# Altium PCB T1_Card.PcbDoc (part 3 of 6) (continued)
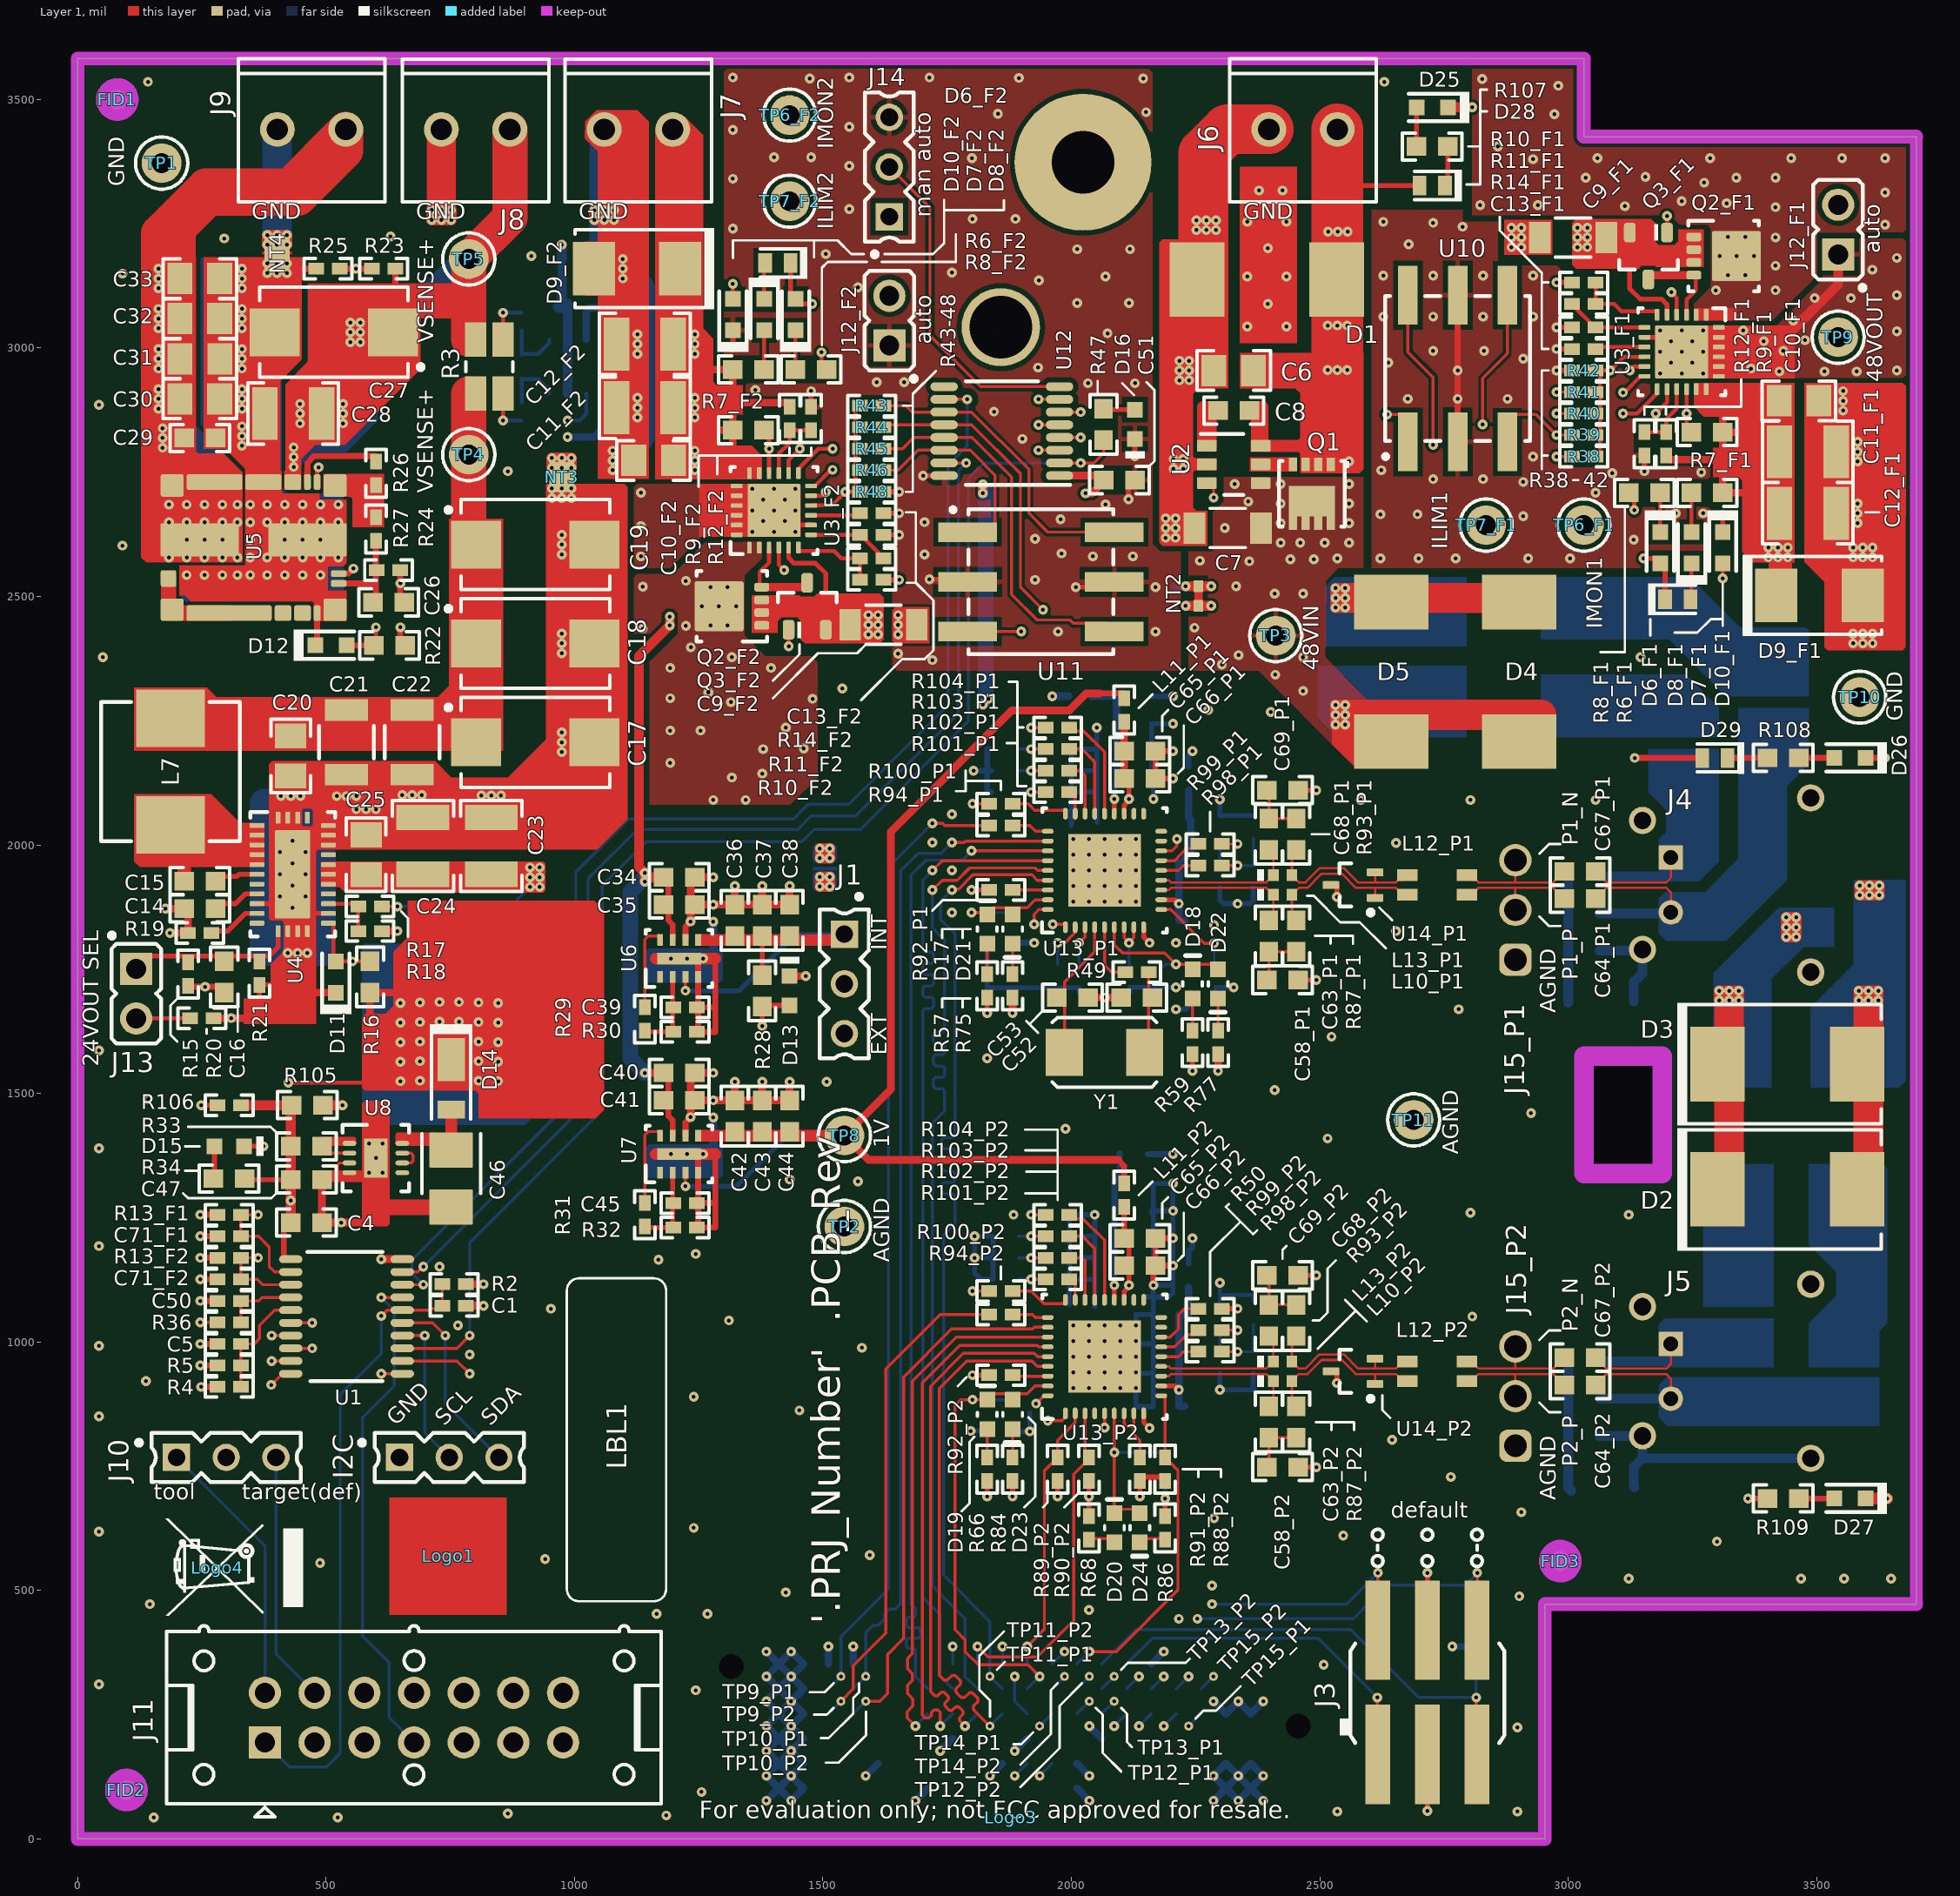
[diagram p0: Layer 1 view]
## Nets (pads, with @x,y where several pads share a name; then routed paths per layer and width w, separated by ;. In a path a pad name is that pad's centre, name@x,y a point inside that pad or via, vN(x,y) a via of type N, cw(c..) or ccw(c..) an arc to the next point about the centre after c; other vN are vias at no path point) (continued)
  Layer 2 w21.65: v1(3304.13,1687.01) v1(3304.13,1706.69) v1(3323.82,1706.69) v1(3343.5,1706.69) v1(3343.5,1687.01) v1(3323.82,1687.01) v1(3304.13,1687.01) ; v1(3402.56,2578.74) v1(3402.56,2598.43) v1(3422.24,2598.43) v1(3441.93,2598.43) v1(3441.93,2578.74) v1(3422.24,2578.74) v1(3402.56,2578.74) ; v1(3438.98,1814.96) v1(3458.66,1814.96) v1(3458.66,1834.65) v1(3458.66,1854.33) v1(3438.98,1854.33) v1(3438.98,1834.65) v1(3438.98,1814.96)
  Layer 3 w21.65: v1(3304.13,1687.01) v1(3304.13,1706.69) v1(3323.82,1706.69) v1(3343.5,1706.69) v1(3343.5,1687.01) v1(3323.82,1687.01) v1(3304.13,1687.01) ; v1(3402.56,2578.74) v1(3422.24,2578.74) v1(3441.93,2578.74) v1(3441.93,2598.43) v1(3422.24,2598.43) v1(3402.56,2598.43) v1(3402.56,2578.74) ; v1(3438.98,1814.96) v1(3458.66,1814.96) v1(3458.66,1834.65) v1(3458.66,1854.33) v1(3438.98,1854.33) v1(3438.98,1834.65) v1(3438.98,1814.96)
  Layer 4 w15.75: v1(3343.5,1687.01) 3430.12,1687.01 3618.11,1499.02 3618.11,738.19 3564.96,685.04 v1(3362.2,685.04) ; v1(3441.93,2598.43) 3441.93,2920.28 TP9.1@3543.31,3021.65
  Layer 4 w21.65: v1(3304.13,1687.01) v1(3304.13,1706.69) v1(3323.82,1706.69) v1(3343.5,1706.69) v1(3343.5,1687.01) v1(3323.82,1687.01) v1(3304.13,1687.01) ; v1(3402.56,2578.74) v1(3402.56,2598.43) v1(3422.24,2598.43) v1(3441.93,2598.43) v1(3441.93,2578.74) v1(3422.24,2578.74) v1(3402.56,2578.74) ; v1(3438.98,1814.96) v1(3458.66,1814.96) v1(3458.66,1834.65) v1(3458.66,1854.33) v1(3438.98,1854.33) v1(3438.98,1834.65) v1(3438.98,1814.96)
  Layer 5 w21.65: v1(3304.13,1687.01) v1(3304.13,1706.69) v1(3323.82,1706.69) v1(3343.5,1706.69) v1(3343.5,1687.01) v1(3323.82,1687.01) v1(3304.13,1687.01) ; v1(3402.56,2578.74) v1(3422.24,2578.74) v1(3441.93,2578.74) v1(3441.93,2598.43) v1(3422.24,2598.43) v1(3402.56,2598.43) v1(3402.56,2578.74) ; v1(3438.98,1814.96) v1(3438.98,1834.65) v1(3438.98,1854.33) v1(3458.66,1854.33) v1(3458.66,1834.65) v1(3458.66,1814.96) v1(3438.98,1814.96)
  Layer 6 w21.65: v1(3304.13,1687.01) v1(3304.13,1706.69) v1(3323.82,1706.69) v1(3343.5,1706.69) v1(3343.5,1687.01) v1(3323.82,1687.01) v1(3304.13,1687.01) ; v1(3402.56,2578.74) v1(3402.56,2598.43) v1(3422.24,2598.43) v1(3441.93,2598.43) v1(3441.93,2578.74) v1(3422.24,2578.74) v1(3402.56,2578.74) ; v1(3438.98,1814.96) v1(3458.66,1814.96) v1(3458.66,1834.65) v1(3458.66,1854.33) v1(3438.98,1854.33) v1(3438.98,1834.65) v1(3438.98,1814.96)
48V_Vout2: C10_F2.1 C11_F2.1 C12_F2.1 D9_F2.1 J7.1 R6_F2.1 R7_F2.2 R9_F2.2 U3_F2.17 U3_F2.18 | length 2739.6
  Layer 1 w15: 1260.83,2834.65 R7_F2.2@1318.9,2834.65 ; 1261.81,2956.69 R6_F2.1@1318.9,2956.69 1318.9,2888.78 ; 1318.9,2783.46 R7_F2.2@1318.9,2834.65 ; R9_F2.2@1433.07,2881.89 1425.2,2889.76 1319.88,2889.76 1318.9,2888.78 ; R7_F2.2@1318.9,2834.65 1318.9,2888.78
  Layer 1 w21.65: v1(1242.13,2753.94) v1(1242.13,2773.62) v1(1242.13,2793.31) ; v1(1242.13,2860.24) v1(1242.13,2879.92) v1(1242.13,2899.61) ; v1(1242.13,2988.19) v1(1242.13,3007.87) v1(1242.13,3027.56)
  Layer 2 w21.65: v1(1242.13,2753.94) v1(1242.13,2773.62) v1(1242.13,2793.31) ; v1(1242.13,2860.24) v1(1242.13,2879.92) v1(1242.13,2899.61) ; v1(1242.13,2988.19) v1(1242.13,3007.87) v1(1242.13,3027.56)
  Layer 3 w21.65: v1(1242.13,2753.94) v1(1242.13,2773.62) v1(1242.13,2793.31) ; v1(1242.13,2860.24) v1(1242.13,2879.92) v1(1242.13,2899.61) ; v1(1242.13,2988.19) v1(1242.13,3007.87) v1(1242.13,3027.56)
  Layer 3 w78.74: 1227.36,2764.76 1227.36,2899.61 1227.36,3220.47 ; 1227.36,3220.47 1227.36,3410.03 J7.1@1197.8,3439.6 1197.8,3250.04 1227.36,3220.47
  Layer 4 w21.65: v1(1242.13,2753.94) v1(1242.13,2773.62) v1(1242.13,2793.31) ; v1(1242.13,2860.24) v1(1242.13,2879.92) v1(1242.13,2899.61) ; v1(1242.13,2988.19) v1(1242.13,3007.87) v1(1242.13,3027.56)
  Layer 4 w62.99: J7.1@1197.8,3439.6 1261.81,3375.58 1261.81,3027.56 1261.81,2860.24 1261.81,2759.84
  Layer 5 w21.65: v1(1242.13,2753.94) v1(1242.13,2773.62) v1(1242.13,2793.31) ; v1(1242.13,2860.24) v1(1242.13,2879.92) v1(1242.13,2899.61) ; v1(1242.13,2988.19) v1(1242.13,3007.87) v1(1242.13,3027.56)
  Layer 6 w21.65: v1(1242.13,2753.94) v1(1242.13,2773.62) v1(1242.13,2793.31) ; v1(1242.13,2860.24) v1(1242.13,2879.92) v1(1242.13,2899.61) ; v1(1242.13,2988.19) v1(1242.13,3007.87) v1(1242.13,3027.56)
49: J2.49
51: J2.51
55: J2.55
61: J2.61
63: J2.63
67: J2.67
68: J2.68
69: J2.69
73: J2.73
74: J2.74
80: J2.80
81: J2.81
84: J2.84
85: J2.85
86: J2.86
87: J2.87
88: J2.88
89: J2.89
90: J2.90
91: J2.91
93: J2.93
94: J2.94
95: J2.95
96: J2.96
97: J2.97
98: J2.98
99: J2.99
103: J2.103
104: J2.104
105: J2.105
AGND: C34.2 C35.2 C36.2 C37.2 C38.2 C40.2 C41.2 C42.2 C43.2 C44.2 C52.2 C53.2 C54_P1.2 C54_P2.2 C55_P1.2 C55_P2.2 C56_P1.2 C56_P2.2 C57_P1.2 C57_P2.2 C58_P1.1 C58_P2.1 C59_P1.2 C59_P2.2 C60_P1.2 C60_P2.2 C61_P1.2 C61_P2.2 C62_P1.2 C62_P2.2 C65_P1.2 C65_P2.2 C66_P1.2 C66_P2.2 C69_P1.2 C69_P2.2 C70_P1.2 C70_P2.2 D13.2 J2.4 J2.10 J2.30 J2.39 J2.43 J2.44 J2.57 J2.62 J2.75 J2.79 J2.92 J2.102 J2.108 J2.109 J2.110 J2.111 J2.112 J2.113 J2.114 J2.115 J2.116 J2.117 J2.118 J2.119 J2.120 J3.3 J3.4 J4.3 J4.4 J4.5 J4.6 J5.3 J5.4 J5.5 J5.6 J15_P1.1 J15_P2.1 NT6.2 NT7a.1 NT7b.1 R50.1 R69.1 R70.1 R71.1 R72.1 R73.1 R74.1 R75.1 R76.1 R77.1 R78.1 R79.1 R80.1 R81.1 R82.1 R83.1 R84.1 R85.1 R86.1 R97_P1.1 R97_P2.1 TP2.1 TP11.1 U6.6 U7.6 U13_P1.37 U13_P2.37 U14_P1.3 U14_P2.3 | length 8213.9
  Layer 1 w10: v1(1881.89,688.98) R84.1@1881.89,720.47 ; R86.1@2188.98,649.61 v1(2188.98,685.04) ; R50.1@2303.15,1066.93 v1(2334.65,1066.93) ; C58_P2.1@2456.69,748.03 v1(2493.11,748.03) ; C69_P2.2@2456.69,1133.86 v1(2493.11,1133.86) ; C58_P1.1@2456.69,1728.35 v1(2493.11,1728.35) ; C69_P1.2@2456.69,2110.24 v1(2493.11,2110.24) ; U14_P2.3@2522.64,940.94 2534.45,940.94 v1(2534.45,917.32) ; U14_P1.3@2522.64,1919.29 2534.45,1919.29 v1(2534.45,1895.67) ; v1(2716.54,56.1) J3.3@2716.54,170.28 ; J3.4@2716.54,420.28 v1(2716.54,535.43)
  Layer 1 w11.81: U7.6@1223.43,1415.35 1223.43,1441.93 v1(1233.85,1452.35) ; U6.6@1223.43,1809.06 1223.43,1835.63 v1(1233.85,1846.05) ; v1(2165.35,1114.17) 2165.35,1149.61 C66_P2.2@2169.29,1153.54 ; v1(2204.72,1153.54) C66_P2.2@2169.29,1153.54 ; v1(2204.72,1208.66) C65_P2.2@2169.29,1208.66 C66_P2.2@2169.29,1153.54 ; v1(2204.72,2133.86) C66_P1.2@2169.29,2133.86 C65_P1.2@2169.29,2188.98 v1(2204.72,2188.98)
  Layer 1 w15: v1(1881.89,1661.42) R75.1@1881.89,1692.91 ; C52.2@2033.46,1692.91 v1(2066.93,1692.91) C53.2@2100.39,1692.91 ; v1(2295.28,1545.28) R77.1@2295.28,1578.74 R77.1@2295.28,1582.68
  Layer 1 w15.75: v1(1233.85,1452.35) 1233.85,1533.06 C40.2@1242.13,1541.34 v1(1279.53,1541.34) ; v1(1233.85,1846.05) 1233.85,1926.76 C34.2@1242.13,1935.04 v1(1279.53,1935.04) ; C41.2@1242.13,1486.22 C42.2@1322.83,1486.22 ; C35.2@1242.13,1879.92 C36.2@1322.83,1879.92 ; v1(1322.83,1523.62) C42.2@1322.83,1486.22 ; v1(1322.83,1917.32) C36.2@1322.83,1879.92 ; C43.2@1377.95,1486.22 v1(1377.95,1523.62) ; C37.2@1377.95,1879.92 v1(1377.95,1917.32) ; v1(1433.07,1523.62) C44.2@1433.07,1486.22 C42.2@1322.83,1486.22 ; D13.2@1433.07,1736.22 v1(1465.55,1736.22) ; v1(1433.07,1917.32) C38.2@1433.07,1879.92 C36.2@1322.83,1879.92
  Layer 1 w21.65: v1(1494.09,1916.34) v1(1513.78,1916.34) v1(1513.78,1936.02) v1(1494.09,1936.02) v1(1494.09,1916.34)
  Layer 2 w21.65: v1(1494.09,1916.34) v1(1513.78,1916.34) v1(1513.78,1936.02) v1(1494.09,1936.02)
  Layer 3 w21.65: v1(1494.09,1916.34) v1(1513.78,1916.34) v1(1513.78,1936.02) v1(1494.09,1936.02) v1(1494.09,1916.34)
  Layer 4 w21.65: v1(1494.09,1916.34) v1(1513.78,1916.34) v1(1513.78,1936.02) v1(1494.09,1936.02) v1(1494.09,1916.34)
  Layer 5 w21.65: v1(1494.09,1916.34) v1(1513.78,1916.34) v1(1513.78,1936.02) v1(1494.09,1936.02)
  Layer 6 w10: R83.1@1881.89,830.71 1881.89,819.88 v1(1916.34,819.88) 1916.34,857.28 ; 1996.06,1074.8 R80.1@1996.06,1125.98 ; 2000,2039.37 R71.1@2000,2106.3 ; 2047.24,1070.87 2047.24,1125.98 ; 2051.18,2045.28 2051.18,2106.3 ; v1(2051.18,2236.22) 2051.18,2192.91 ; 2150.59,1090.55 2165.35,1090.55 ; C57_P2.2@2161.42,1153.54 C57_P2.2@2165.35,1153.54 ; C56_P2.2@2161.42,1208.66 C56_P2.2@2165.35,1208.66 ; C55_P2.2@2161.42,1259.84 C55_P2.2@2165.35,1259.84 ; C55_P2.2@2161.42,1263.78 C55_P2.2@2165.35,1263.78 ; C54_P2.2@2161.42,1314.96 C54_P2.2@2165.35,1314.96 ; C54_P2.2@2161.42,1318.9 C54_P2.2@2165.35,1318.9 ; C59_P2.2@2165.35,1066.93 2165.35,1090.55 ; v1(2165.35,2092.52) C57_P1.2@2165.35,2133.86 ; C57_P1.2@2165.35,2134.84 C57_P1.2@2165.35,2133.86 ; v1(2188.98,685.04) R85.1@2188.98,724.41 ; v1(2204.72,2133.86) C57_P1.2@2165.35,2133.86 ; v1(2204.72,2188.98) C56_P1.2@2161.42,2188.98 ; v1(2204.72,2244.09) C55_P1.2@2161.42,2244.09 C56_P1.2@2161.42,2188.98 ; v1(2210.63,1669.29) 2231.3,1669.29 2240.16,1678.15 R76.1@2240.16,1704.72 ; R78.1@2299.21,937.01 v1(2299.21,903.54) 2366.14,903.54 R79.1@2366.14,937.01 ; R69.1@2299.21,1913.39 2299.21,1888.64 2305.96,1881.89 v1(2334.65,1881.89) 2359.25,1881.89 2366.14,1888.78 R70.1@2366.14,1913.39 ; R80.1@1996.06,1125.98 2047.24,1125.98 ; R80.1@1996.06,1125.98 R81.1@1996.06,1169.29 ; R81.1@1996.06,1169.29 2047.24,1169.29 ; R81.1@1996.06,1169.29 R82.1@1996.06,1212.6 ; R82.1@1996.06,1212.6 1996.06,1248.03 2003.94,1255.91 v1(2047.24,1255.91) 2047.24,1212.6 ; R82.1@1996.06,1212.6 2047.24,1212.6 ; R71.1@2000,2106.3 R72.1@2000,2149.61 ; R71.1@2000,2106.3 2051.18,2106.3 ; R72.1@2000,2149.61 R73.1@2000,2192.91 2051.18,2192.91 ; R72.1@2000,2149.61 2051.18,2149.61 ; 2047.24,1125.98 2047.24,1169.29 ; 2047.24,1169.29 2047.24,1212.6 ; 2051.18,2106.3 2051.18,2149.61 ; 2051.18,2149.61 2051.18,2192.91 ; v1@2129.92,937.01 C61_P2.2@2165.35,937.01 ; v1@2129.92,937.01 v1(2129.92,938.98) v1(2129.92,970.47) v1@2129.92,996.06 ; v1@2129.92,937.01 v1(2129.92,907.48) 2129.92,870.08 C62_P2.2@2165.35,870.08 C61_P2.2@2165.35,937.01 ; v1@2129.92,996.06 C60_P2.2@2165.35,996.06 ; v1@2129.92,996.06 v1(2129.92,1001.97) v1(2129.92,1033.46) 2129.92,1055.12 C59_P2.2@2165.35,1055.12 ; C56_P1.2@2161.42,2188.98 C57_P1.2@2161.42,2133.86 C57_P1.2@2165.35,2133.86 ; C61_P2.2@2165.35,937.01 C60_P2.2@2165.35,996.06 ; C60_P2.2@2165.35,996.06 C59_P2.2@2165.35,1055.12 ; C59_P2.2@2165.35,1055.12 2165.35,1090.55 ; 2165.35,1090.55 v1(2165.35,1114.17) ; 2165.35,1090.55 v1(2165.35,1114.17) ; 2165.35,1090.55 2195.87,1090.55 2204.72,1099.41 2204.72,1114.17 ; v1(2165.35,1114.17) C57_P2.2@2165.35,1153.54 ; v1(2165.35,1114.17) 2204.72,1114.17 ; C57_P2.2@2165.35,1153.54 C56_P2.2@2165.35,1208.66 ; C57_P2.2@2165.35,1153.54 v1(2204.72,1153.54) ; C56_P2.2@2165.35,1208.66 C55_P2.2@2165.35,1259.84 ; C56_P2.2@2165.35,1208.66 v1(2204.72,1208.66) ; C55_P2.2@2165.35,1259.84 C55_P2.2@2165.35,1263.78 ; C55_P2.2@2165.35,1263.78 C54_P2.2@2165.35,1314.96 ; C55_P2.2@2165.35,1263.78 v1(2204.72,1263.78) ; C54_P2.2@2165.35,1314.96 C54_P2.2@2165.35,1318.9 ; C54_P2.2@2165.35,1318.9 v1(2204.72,1318.9) v1(2204.72,1263.78) ; 2204.72,1114.17 v1(2204.72,1153.54) ; v1(2204.72,1153.54) v1(2204.72,1208.66) ; v1(2204.72,1208.66) v1(2204.72,1263.78)
  Layer 6 w11.81: R74.1@1881.89,1811.02 1881.89,1803.15 v1(1925.2,1803.15) ; C54_P1.2@2161.42,2299.21 v1(2204.72,2299.21)
  Layer 6 w15: v1(1386.22,77) J2.115@1411.22,102 ; v1(1386.22,377) J2.120@1411.22,352 ; J2.108@1511.22,352 v1(1511.22,387.36) ; J2.102@1561.22,352 v1(1561.22,387.36) ; v1(1586.22,127) J2.92@1611.22,152 ; v1(1686.22,77) J2.79@1711.22,102 ; v1(1736.22,177) J2.75@1761.22,202 ; v1(1836.22,127) J2.62@1861.22,152 ; v1(1886.22,177) J2.57@1911.22,202 ; J2.43@2011.22,102 v1(2036.22,77) ; J2.44@2011.22,152 v1(2036.22,127) ; v1(2036.22,227) J2.39@2061.22,202 ; J2.30@2161.22,352 v1(2186.22,377) ; v1(2286.22,277) J2.10@2311.22,252 v1(2336.22,277) J2.4@2361.22,252 v1(2386.22,277) ; J2.115@1411.22,102 v1(1436.22,77) J2.109@1461.22,102 v1(1436.22,127) ; J2.115@1411.22,102 v1(1436.22,127) ; J2.115@1411.22,102 v1(1386.22,127) J2.116@1411.22,152 ; J2.116@1411.22,152 v1(1436.22,127) ; J2.116@1411.22,152 v1(1436.22,177) ; J2.116@1411.22,152 v1(1386.22,177) J2.117@1411.22,202 ; J2.117@1411.22,202 v1(1436.22,177) ; J2.117@1411.22,202 v1(1436.22,227) ; J2.117@1411.22,202 v1(1386.22,227) J2.118@1411.22,252 ; J2.118@1411.22,252 v1(1436.22,227) ; J2.118@1411.22,252 v1(1436.22,277) ; J2.118@1411.22,252 v1(1386.22,277) J2.119@1411.22,302 ; J2.119@1411.22,302 v1(1436.22,277) ; J2.119@1411.22,302 v1(1436.22,327) ; J2.119@1411.22,302 v1(1386.22,327) J2.120@1411.22,352 ; J2.120@1411.22,352 v1(1436.22,327) ; J2.120@1411.22,352 v1(1436.22,377) J2.114@1461.22,352 v1(1436.22,327) ; v1(1436.22,127) J2.110@1461.22,152 v1(1436.22,177) ; v1(1436.22,177) J2.111@1461.22,202 v1(1436.22,227) ; v1(1436.22,227) J2.112@1461.22,252 v1(1436.22,277) ; v1(1436.22,277) J2.113@1461.22,302 v1(1436.22,327)
  Layer 6 w15.75: NT7b.1@1279.53,1425.2 v1(1279.53,1451.77) ; NT7a.1@1279.53,1818.9 v1(1279.53,1845.47)
  Layer 6 w19.68: C70_P2.2@3062.99,811.02 3149.43,811.02 J5.3@3149.52,811.1 3149.52,769.59 ; C70_P1.2@3062.99,1787.4 J4.3@3149.43,1787.4 ; R97_P1.1@3131.89,1685.04 3131.89,1724.58 3149.52,1742.21 ; R97_P2.1@3132.87,707.68 3131.89,708.66 3131.89,748.2 3149.52,765.83 J5.5@3488.1,765.83 ; 3149.52,1745.97 J4.3@3149.52,1787.48
  Layer 6 w21.65: NT6.2@1490.16,1935.9 1490.16,1916.34 v1(1494.09,1916.34) ; NT6.2@1494.09,1935.04 v1(1494.09,1916.34) ; v1(1494.09,1936.02) 1503.94,1936.02 v1(1513.78,1936.02) v1(1513.78,1916.34) ; NT6.2@1517.72,1935.9 1517.72,1916.34 v1(1513.78,1916.34) ; v1(1494.09,1916.34) v1(1513.78,1916.34)
  other v1: 2535.43,55.12 2897.64,55.12 1255.91,94.49 2897.64,224.41 1244.09,299.21 2507.87,350.39 2216.54,442.91 1267.72,452.76 2035.43,460.63 2901.57,488.19 1425.2,496.06 2283.46,509.84 3122.05,523.62 3468.5,523.62 1594.49,570.87 3299.21,598.43 2547.24,610.24 1240.16,625.98 2287.4,645.67 2905.51,657.48 2763.78,728.35 2645.67,803.15 1452.76,862.2 1240.16,889.76 2003.94,907.48 2035.43,907.48 2066.93,907.48 2098.43,907.48 2003.94,938.98 2035.43,938.98 2066.93,938.98 2098.43,938.98 2003.94,970.47 2035.43,970.47 2066.93,970.47 2098.43,970.47 1578.74,988.19 2003.94,1001.97 2035.43,1001.97 2066.93,1001.97 2098.43,1001.97 2003.94,1033.46 2035.43,1033.46 2066.93,1033.46 2098.43,1033.46 1311.02,1043.31 2807.09,1051.18 1244.09,1177.17 1883.86,1255.91 3122.05,1255.91 2803.15,1259.84 1570.87,1322.83 1433.07,1326.77 2515.75,1409.45 1988.19,1429.13 2925.2,1460.63 1279.53,1486.22 2409.45,1506.89 1507.87,1523.62 1830.71,1570.87 2523.62,1614.17 2779.53,1669.29 2210.63,1803.15 2653.54,1826.77 2287.4,1838.58 1759.84,1864.17 1279.53,1879.92 2003.94,1885.83 2035.43,1885.83 2066.93,1885.83 2098.43,1885.83 2129.92,1885.83 2003.94,1917.32 2035.43,1917.32 2066.93,1917.32 2098.43,1917.32 2129.92,1917.32 1759.84,1948.82 2003.94,1948.82 2035.43,1948.82 2066.93,1948.82 2098.43,1948.82 2129.92,1948.82 2003.94,1980.31 2035.43,1980.31 2066.93,1980.31 2098.43,1980.31 2129.92,1980.31 2653.54,2003.94 1720.47,2004.92 2003.94,2011.81 2035.43,2011.81 2066.93,2011.81 2098.43,2011.81 2129.92,2011.81 1759.84,2062.01 2582.68,2090.55 2803.15,2090.55 3055.12,2090.55 2401.57,2267.72 2275.59,2271.65
BUCK_GND: C14.2 C17.2 C18.2 C19.2 C20.2 C21.2 C22.2 C23.2 C24.2 C25.2 D11.1 NT3.2 R18.1 R19.1 R20.1 R21.1 U4.9 U4.13 U4.14 U4.15 U4.17 U4.24 U4.25 U4.26 U4.28 U4.29 U4.30 U4.31@433.07,1940.94 | length 4448.6
  Layer 1 w9.84: U4.9@361.22,1881.89 U4.31@433.07,1881.89 ; 366.14,1677.17 R21.1@366.14,1718.5 399.61,1718.5 ; U4.31@433.07,1940.94 v1(433.07,1918.5) U4.31@433.07,1881.89 ; U4.17@504.92,1862.2 433.07,1862.2 v1(433.07,1873.62) U4.31@433.07,1881.89
  Layer 1 w15: v1(177.17,1872.05) C14.2@214.57,1872.05 222.44,1864.17 R19.1@222.44,1822.83 v1(186.02,1822.83) ; R20.1@273.62,1651.57 v1(309.06,1651.57) 345.47,1651.57 ; 466.54,1702.76 D11.1@519.68,1702.76 ; R18.1@612.2,1826.77 v1(643.7,1826.77)
  Layer 1 w21.65: v1(409.45,2098.43) v1(429.13,2098.43) v1(448.82,2098.43) ; v1(423.23,1782.48) v1(442.91,1782.48) v1(462.6,1782.48) ; v1(521.65,2098.43) v1(541.34,2098.43) v1(561.02,2098.43) ; v1(561.02,2071.85) v1(580.71,2071.85) v1(600.39,2071.85) ; v1(653.54,2100.39) v1(673.23,2100.39) v1(692.91,2100.39) ; v1(812.99,2099.41) v1(832.68,2099.41) v1(852.36,2099.41) ; v1(974.41,2187.01) v1(974.41,2206.69) v1(974.41,2226.38) ; v1(974.41,2385.83) v1(974.41,2405.51) v1(974.41,2425.2) ; v1(974.41,2584.65) v1(974.41,2604.33) v1(974.41,2624.02) ; v1(954.72,2697.83) v1(974.41,2697.83) v1(994.09,2697.83) v1(994.09,2717.52) v1(974.41,2717.52) v1(954.72,2717.52) v1(954.72,2697.83)
  Layer 2 w21.65: v1(409.45,2098.43) v1(429.13,2098.43) v1(448.82,2098.43) ; v1(423.23,1782.48) v1(442.91,1782.48) v1(462.6,1782.48) ; v1(521.65,2098.43) v1(541.34,2098.43) v1(561.02,2098.43) ; v1(561.02,2071.85) v1(580.71,2071.85) v1(600.39,2071.85) ; v1(653.54,2100.39) v1(673.23,2100.39) v1(692.91,2100.39) ; v1(812.99,2099.41) v1(832.68,2099.41) v1(852.36,2099.41) ; v1(974.41,2187.01) v1(974.41,2206.69) v1(974.41,2226.38) ; v1(974.41,2385.83) v1(974.41,2405.51) v1(974.41,2425.2) ; v1(974.41,2584.65) v1(974.41,2604.33) v1(974.41,2624.02) ; v1(954.72,2697.83) v1(994.09,2697.83) v1(994.09,2717.52) v1(974.41,2717.52) v1(954.72,2717.52) v1(954.72,2697.83)
  Layer 3 w21.65: v1(409.45,2098.43) v1(429.13,2098.43) v1(448.82,2098.43) ; v1(423.23,1782.48) v1(442.91,1782.48) v1(462.6,1782.48) ; v1(521.65,2098.43) v1(541.34,2098.43) v1(561.02,2098.43) ; v1(561.02,2071.85) v1(580.71,2071.85) v1(600.39,2071.85) ; v1(653.54,2100.39) v1(673.23,2100.39) v1(692.91,2100.39) ; v1(812.99,2099.41) v1(832.68,2099.41) v1(852.36,2099.41) ; v1(974.41,2187.01) v1(974.41,2206.69) v1(974.41,2226.38) ; v1(974.41,2385.83) v1(974.41,2405.51) v1(974.41,2425.2) ; v1(974.41,2584.65) v1(974.41,2604.33) v1(974.41,2624.02) ; v1(954.72,2697.83) v1(994.09,2697.83) v1(994.09,2717.52) v1(974.41,2717.52) v1(954.72,2717.52) v1(954.72,2697.83)
  Layer 4 w21.65: v1(409.45,2098.43) v1(429.13,2098.43) v1(448.82,2098.43) ; v1(423.23,1782.48) v1(442.91,1782.48) v1(462.6,1782.48) ; v1(521.65,2098.43) v1(541.34,2098.43) v1(561.02,2098.43) ; v1(561.02,2071.85) v1(580.71,2071.85) v1(600.39,2071.85) ; v1(653.54,2100.39) v1(673.23,2100.39) v1(692.91,2100.39) ; v1(812.99,2099.41) v1(832.68,2099.41) v1(852.36,2099.41) ; v1(974.41,2187.01) v1(974.41,2206.69) v1(974.41,2226.38) ; v1(974.41,2385.83) v1(974.41,2405.51) v1(974.41,2425.2) ; v1(974.41,2584.65) v1(974.41,2604.33) v1(974.41,2624.02) ; v1(954.72,2697.83) v1(994.09,2697.83) v1(994.09,2717.52) v1(974.41,2717.52) v1(954.72,2717.52) v1(954.72,2697.83)
  Layer 5 w21.65: v1(409.45,2098.43) v1(429.13,2098.43) v1(448.82,2098.43) ; v1(423.23,1782.48) v1(442.91,1782.48) v1(462.6,1782.48) ; v1(521.65,2098.43) v1(541.34,2098.43) v1(561.02,2098.43) ; v1(561.02,2071.85) v1(580.71,2071.85) v1(600.39,2071.85) ; v1(653.54,2100.39) v1(673.23,2100.39) v1(692.91,2100.39) ; v1(812.99,2099.41) v1(832.68,2099.41) v1(852.36,2099.41) ; v1(974.41,2187.01) v1(974.41,2206.69) v1(974.41,2226.38) ; v1(974.41,2385.83) v1(974.41,2405.51) v1(974.41,2425.2) ; v1(974.41,2584.65) v1(974.41,2604.33) v1(974.41,2624.02) ; v1(954.72,2697.83) v1(994.09,2697.83) v1(994.09,2717.52) v1(974.41,2717.52) v1(954.72,2717.52) v1(954.72,2697.83)
  Layer 6 w21.65: v1(409.45,2098.43) v1(429.13,2098.43) v1(448.82,2098.43) ; v1(423.23,1782.48) v1(442.91,1782.48) v1(462.6,1782.48) ; v1(521.65,2098.43) v1(541.34,2098.43) v1(561.02,2098.43) ; v1(561.02,2071.85) v1(580.71,2071.85) v1(600.39,2071.85) ; v1(653.54,2100.39) v1(673.23,2100.39) v1(692.91,2100.39) ; v1(812.99,2099.41) v1(832.68,2099.41) v1(852.36,2099.41) ; v1(954.72,2697.83) v1(974.41,2697.83) v1(994.09,2697.83) v1(994.09,2717.52) v1(974.41,2717.52) v1(954.72,2717.52) v1(954.72,2697.83)
  Layer 6 w59.06: 375.98,2083.66 448.82,2083.66 541.34,2083.66 580.71,2083.66 673.23,2083.66 832.68,2083.66 871.06,2083.66 v1(974.41,2187.01) 974.41,2202.76 v1(974.41,2206.69) v1(974.41,2226.38) v1(974.41,2385.83) v1(974.41,2405.51) v1(974.41,2425.2) v1(974.41,2584.65) v1(974.41,2604.33) v1(974.41,2624.02) v1(974.41,2697.83)
  other v1: 407.48,1896.06 458.66,1896.06 407.48,1940.94 458.66,1940.94 433.07,1963.39 407.48,1985.83 458.66,1985.83 433.07,2008.27
CLKOUT1: U13_P1.16 U13_P2.5 | length 1494
  Layer 1 w6: v1(2066.93,827.4) U13_P2.5@2066.93,856.3 ; U13_P1.16@2181.1,1988.19 2202.76,1988.19 2212.6,1998.03 v1(2212.6,2011.81)
  Layer 3 w4.55: v1(2066.93,827.4) 2094.13,800.2 2186.02,800.2 2244.09,858.27 2244.09,1164.37 2270.67,1190.94 2270.67,1671.26 2251.97,1689.96 2251.97,1803.15 2194.88,1860.24 2194.88,1994.09 v1(2212.6,2011.81)
CLKOUT2: R50.2 U13_P2.16 | length 114.6
  Layer 1 w6: U13_P2.16@2181.1,1009.84 2198.82,1009.84 2215.55,1026.57 2215.55,1054.13 2228.35,1066.93 R50.2@2255.91,1066.93
D1A_P1_N: L12_P1.4 L13_P1.2 R93_P1.2 U14_P1.2 | length 342.4
  Layer 1 w4.5: R93_P1.2@2452.76,1990.16 2443.9,1981.3 L13_P1.2@2443.9,1938.98 2458.08,1924.79 2471.05,1924.79 2499.29,1953.03 2548.94,1953.03 2577.18,1924.79 2611.22,1924.79 ; U14_P1.2@2611.22,1944.88 2611.22,1924.79 ; L12_P1.4@2676.18,1938.98 2667.32,1930.12 2658.46,1930.12 2653.14,1924.79 2611.22,1924.79
D1A_P1_P: L10_P1.2 L12_P1.1 R87_P1.1 U14_P1.1 | length 342.4
  Layer 1 w4.5: R87_P1.1@2452.76,1848.43 2443.9,1857.28 L10_P1.2@2443.9,1899.61 2458.08,1913.79 2475.61,1913.79 2503.85,1942.03 2544.38,1942.03 2572.62,1913.79 2611.22,1913.79 ; U14_P1.1@2611.22,1893.7 2611.22,1913.79 ; L12_P1.1@2676.18,1899.61 2667.32,1908.46 2658.46,1908.46 2653.14,1913.79 2611.22,1913.79
D1A_P2_N: L12_P2.4 L13_P2.2 R93_P2.2 U14_P2.2 | length 342.4
  Layer 1 w4.5: R93_P2.2@2452.76,1011.81 2443.9,1002.95 L13_P2.2@2443.9,960.63 2458.08,946.44 2471.05,946.44 2499.29,974.69 2548.94,974.69 2577.18,946.44 2611.22,946.44 ; U14_P2.2@2611.22,966.54 2611.22,946.44 ; L12_P2.4@2676.18,960.63 2667.32,951.77 2658.46,951.77 2653.14,946.44 2611.22,946.44
D1A_P2_P: L10_P2.2 L12_P2.1 R87_P2.1 U14_P2.1 | length 342.4
  Layer 1 w4.5: R87_P2.1@2452.76,870.08 2443.9,878.94 L10_P2.2@2443.9,921.26 2458.08,935.44 2475.61,935.44 2503.85,963.69 2544.38,963.69 2572.62,935.44 2611.22,935.44 ; U14_P2.1@2611.22,915.35 2611.22,935.44 ; L12_P2.1@2676.18,921.26 2667.32,930.12 2658.46,930.12 2653.14,935.44 2611.22,935.44
D1B_P1_N: C67_P1.2 J15_P1.3 L12_P1.3 | length 255.4
  Layer 1 w4.5: L12_P1.3@2796.26,1938.98 2805.12,1930.12 2813.98,1930.12 2819.3,1924.79 2893.7,1924.79 ; J15_P1.3@2893.7,1969.29 2893.7,1924.79 ; C67_P1.2@2992.13,1946.85 2970.07,1924.79 2893.7,1924.79
D1B_P1_P: C64_P1.2 J15_P1.2 L12_P1.2 | length 255.4
  Layer 1 w4.5: L12_P1.2@2796.26,1899.61 2805.12,1908.46 2813.98,1908.46 2819.3,1913.79 2893.7,1913.79 ; J15_P1.2@2893.7,1869.29 2893.7,1913.79 ; C64_P1.2@2992.13,1891.73 2970.07,1913.79 2893.7,1913.79
D1B_P2_N: C67_P2.2 J15_P2.3 L12_P2.3 | length 255.4
  Layer 1 w4.5: L12_P2.3@2796.26,960.63 2805.12,951.77 2813.98,951.77 2819.3,946.44 2893.7,946.44 ; J15_P2.3@2893.7,990.94 2893.7,946.44 ; C67_P2.2@2992.13,968.5 2970.07,946.44 2893.7,946.44
D1B_P2_P: C64_P2.2 J15_P2.2 L12_P2.2 | length 255.4
  Layer 1 w4.5: L12_P2.2@2796.26,921.26 2805.12,930.12 2813.98,930.12 2819.3,935.44 2893.7,935.44 ; J15_P2.2@2893.7,890.94 2893.7,935.44 ; C64_P2.2@2992.13,913.39 2970.07,935.44 2893.7,935.44
D_P1_N: C68_P1.1 L13_P1.1 U13_P1.13 | length 287.9
  Layer 1 w4.5: U13_P1.13@2181.1,1929.13 2196.45,1929.13 2200.79,1924.79 2392.31,1924.79 L13_P1.1@2406.5,1938.98 2406.5,1981.3 C68_P1.1@2397.64,1990.16
D_P1_P: C63_P1.2 L10_P1.1 U13_P1.12 | length 287.9
  Layer 1 w4.5: U13_P1.12@2181.1,1909.45 2196.45,1909.45 2200.79,1913.79 2392.31,1913.79 L10_P1.1@2406.5,1899.61 2406.5,1857.28 C63_P1.2@2397.64,1848.43
D_P2_N: C68_P2.1 L13_P2.1 U13_P2.13 | length 287.9
  Layer 1 w4.5: U13_P2.13@2181.1,950.79 2196.45,950.79 2200.79,946.44 2392.31,946.44 L13_P2.1@2406.5,960.63 2406.5,1002.95 C68_P2.1@2397.64,1011.81
D_P2_P: C63_P2.2 L10_P2.1 U13_P2.12 | length 287.9
  Layer 1 w4.5: U13_P2.12@2181.1,931.1 2196.45,931.1 2200.79,935.44 2392.31,935.44 L10_P2.1@2406.5,921.26 2406.5,878.94 C63_P2.2@2397.64,870.08
External_3V3: J1.3 J2.1 J2.2 J2.7 J2.8 | length 657.2
  Layer 4 w55.12: 1592.52,1620.47 J1.3@1543.31,1620.47 1673.23,1490.55
  Layer 6 w15: v1(2286.22,77) J2.7@2311.22,102 ; v1(2386.22,77) J2.1@2361.22,102 ; J2.7@2311.22,102 v1(2286.22,127) J2.8@2311.22,152 v1(2336.22,127) ; J2.7@2311.22,102 v1(2336.22,127) ; J2.7@2311.22,102 v1(2336.22,77) J2.1@2361.22,102 ; v1(2336.22,127) J2.2@2361.22,152 v1(2386.22,127) J2.1@2361.22,102 ; v1(2336.22,127) J2.1@2361.22,102